# KiCad board middle.kicad_pcb
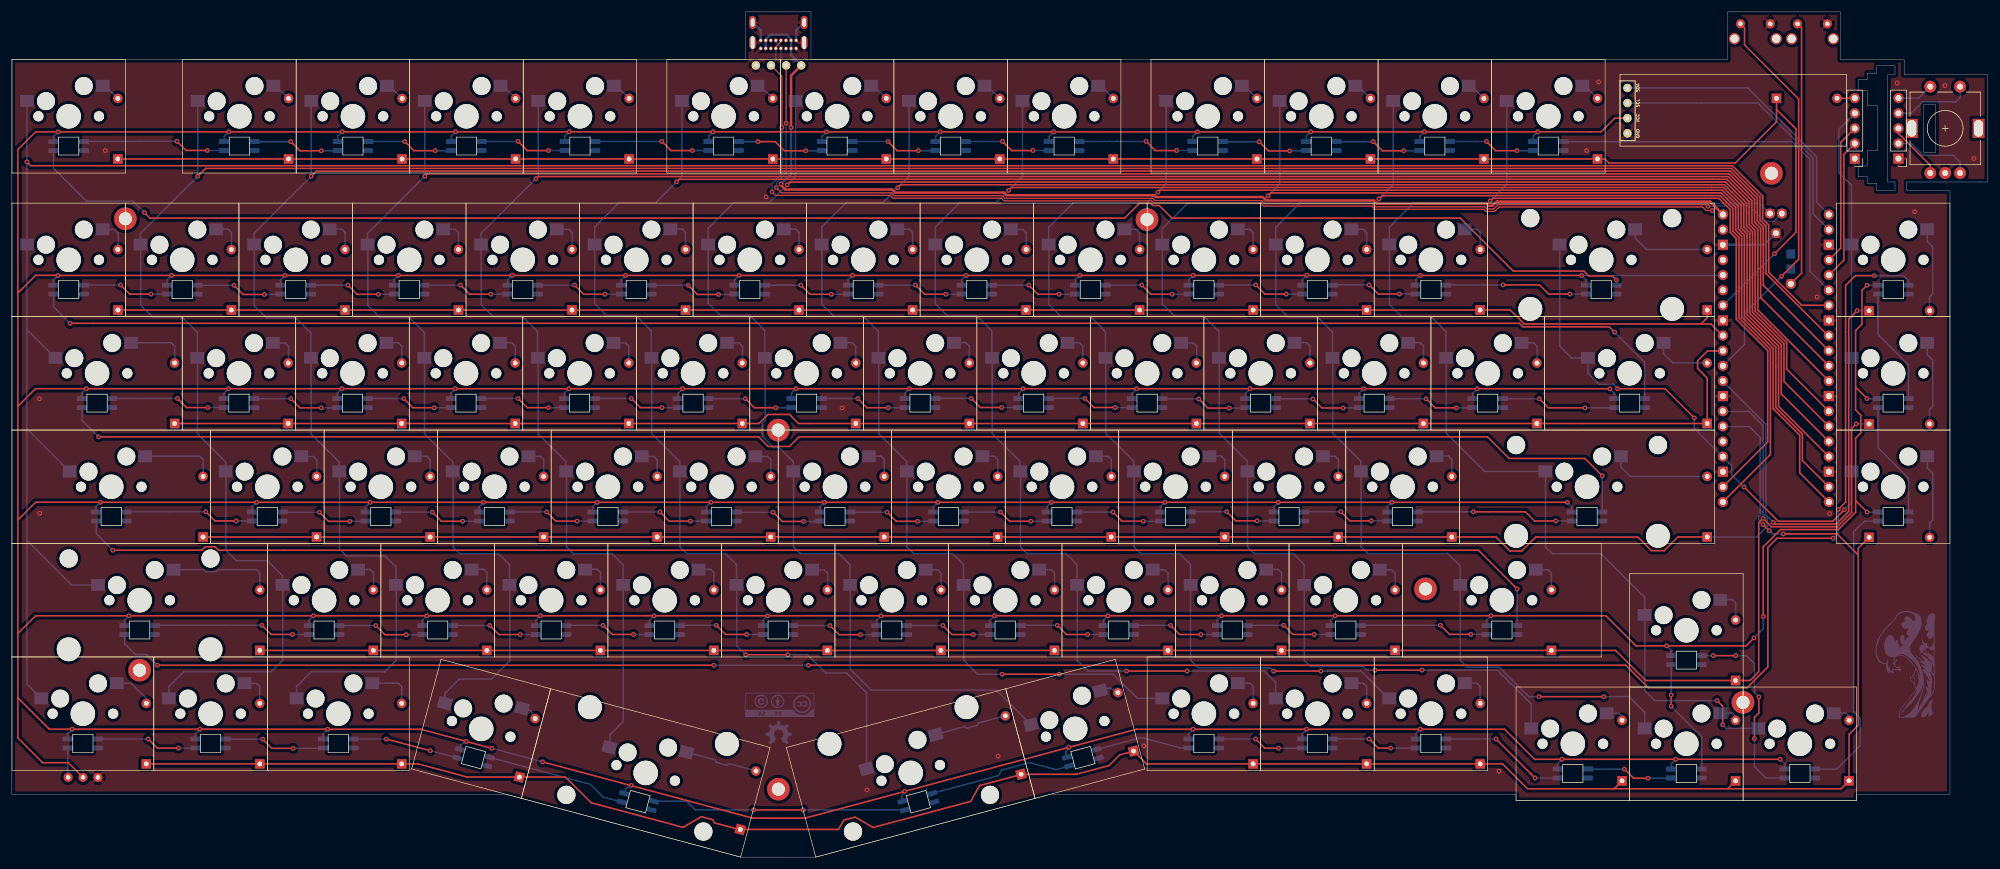
[diagram p0: board, top side]
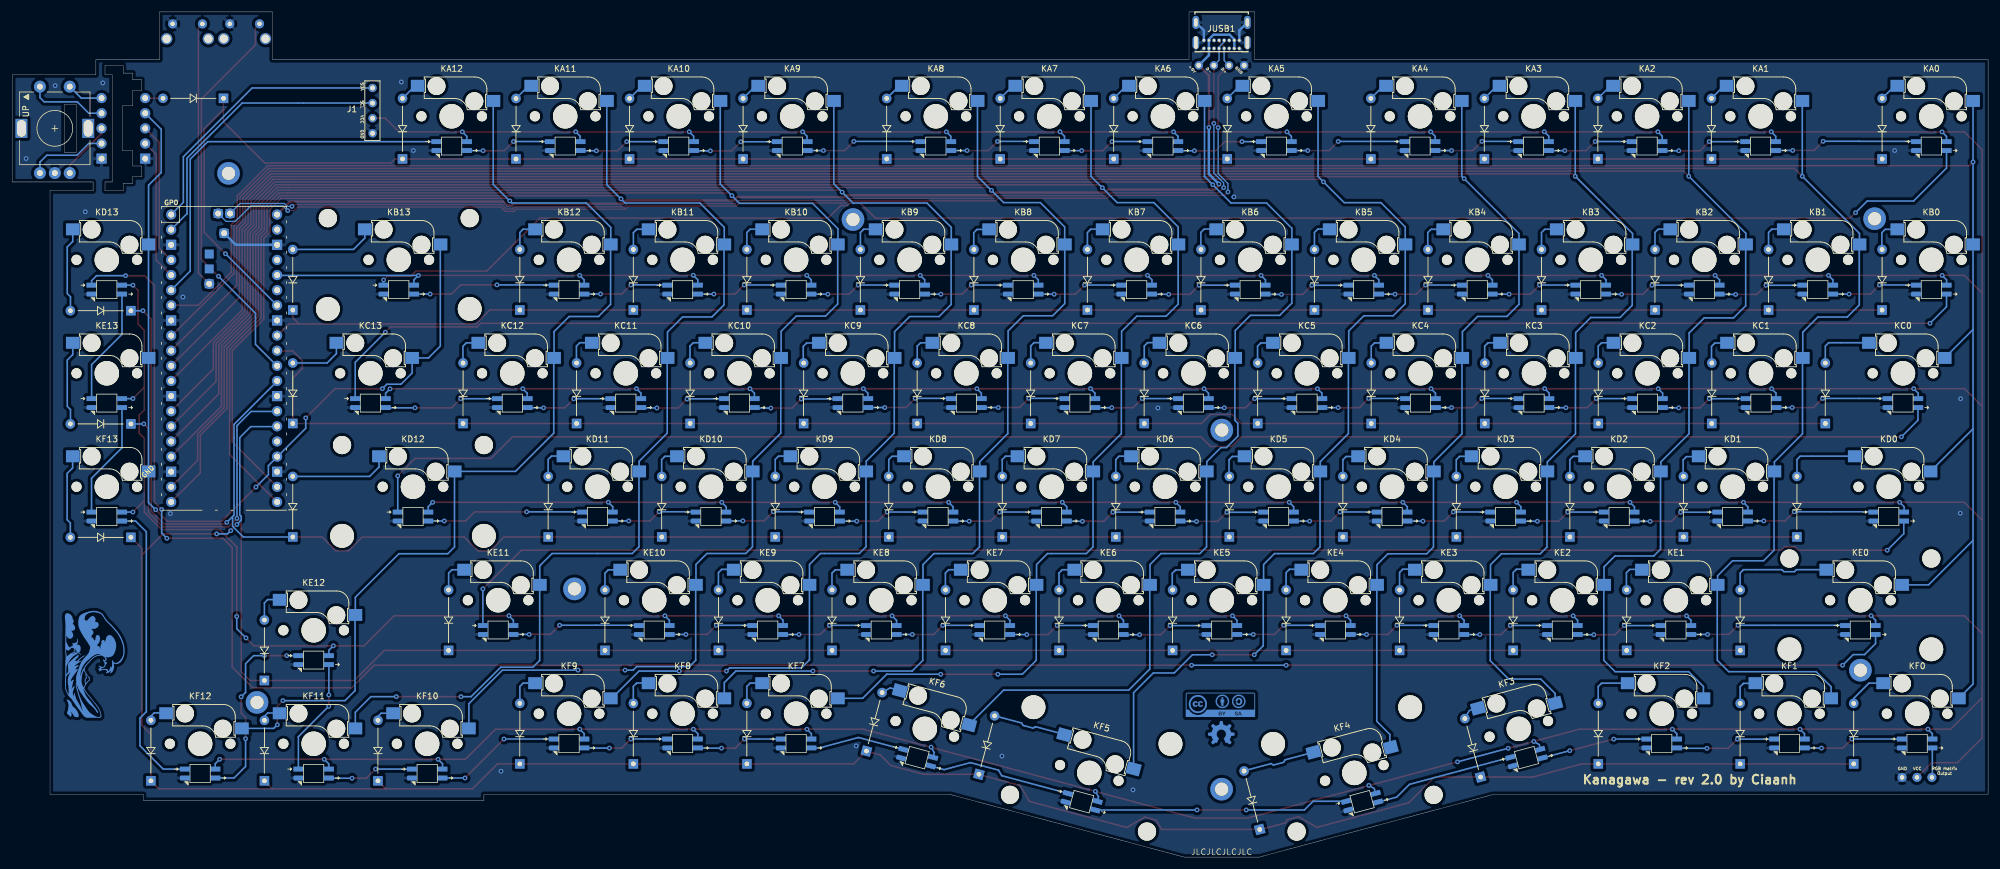
[diagram p1: board, bottom side, seen from below]

Outline 331.54 x 141.9 mm; copper layers: Top, Bottom. Coordinates in mm from the lower left corner of the outline.
Outline path: 0,133.9 0,10.5 83.1,10.5 122.29,0 134.89,0 174.08,10.5 252.41,10.5 252.41,9.5 309.56,9.5 309.56,10.5 325.23,10.5 325.23,111.87 318,111.87 318,113.35 330.23,113.35 331.54,113.35 331.54,131.35 330.23,131.35 317.53,131.35 317.53,133.9 306.83,133.9 306.83,141.9 287.9,141.9 287.9,133.9 134.09,133.9 134.09,141.9 123.09,141.9 123.09,133.9 0,133.9 ; 309.85,130.52 309.85,128.72 311.35,128.72 311.35,126.12 313.11,126.12 313.11,118.62 311.35,118.62 311.35,116.03 309.85,116.03 309.85,114.23 311.35,114.23 311.35,113.12 312.95,113.12 312.95,111.87 316,111.87 316,113.35 314.78,113.35 314.78,131.35 316,131.35 316,132.87 312.95,132.87 312.95,131.62 311.35,131.62 311.35,130.52 309.85,130.52 ; 320.84,126.35 320.84,118.35 322.84,118.35 322.84,126.35 320.84,126.35
Stack: Top 0.035mm / dielectric 1.51mm FR4 er 4.5 / Bottom 0.035mm

## Placement (name value [footprint] x y rotation side)
DA0  D  [Diode_THT]  19.04 116.11 90 top
DA1  D  [Diode_THT]  47.69 116.11 90 top
DA2  D  [Diode_THT]  66.74 116.11 90 top
DA3  D  [Diode_THT]  85.79 116.11 90 top
DA4  D  [Diode_THT]  104.84 116.11 90 top
DA5  D  [Diode_THT]  128.94 116.11 90 top
DA6  D  [Diode_THT]  147.99 116.11 90 top
DA7  D  [Diode_THT]  167.04 116.11 90 top
DA8  D  [Diode_THT]  186.09 116.11 90 top
DA9  D  [Diode_THT]  210.19 116.11 90 top
DA10  D  [Diode_THT]  229.24 116.11 90 top
DA11  D  [Diode_THT]  248.29 116.11 90 top
DA12  D  [Diode_THT]  267.34 116.11 90 top
DA13  D  [Diode_THT]  295.01 126.13 0 top
DB0  D  [Diode_THT]  19.05 90.75 90 top
DB1  D  [Diode_THT]  38.1 90.75 90 top
DB2  D  [Diode_THT]  57.15 90.75 90 top
DB3  D  [Diode_THT]  76.2 90.75 90 top
DB4  D  [Diode_THT]  95.25 90.75 90 top
DB5  D  [Diode_THT]  114.3 90.75 90 top
DB6  D  [Diode_THT]  133.35 90.75 90 top
DB7  D  [Diode_THT]  152.4 90.75 90 top
DB8  D  [Diode_THT]  171.45 90.75 90 top
DB9  D  [Diode_THT]  190.5 90.75 90 top
DB10  D  [Diode_THT]  209.55 90.75 90 top
DB11  D  [Diode_THT]  228.6 90.75 90 top
DB12  D  [Diode_THT]  247.65 90.75 90 top
DB13  D  [Diode_THT]  285.75 90.75 90 top
DC0  D  [Diode_THT]  28.58 71.7 90 top
DC1  D  [Diode_THT]  47.62 71.7 90 top
DC2  D  [Diode_THT]  66.67 71.7 90 top
DC3  D  [Diode_THT]  85.72 71.7 90 top
DC4  D  [Diode_THT]  104.78 71.7 90 top
DC5  D  [Diode_THT]  123.82 71.7 90 top
DC6  D  [Diode_THT]  142.88 71.7 90 top
DC7  D  [Diode_THT]  161.93 71.7 90 top
DC8  D  [Diode_THT]  180.97 71.7 90 top
DC9  D  [Diode_THT]  200.03 71.7 90 top
DC10  D  [Diode_THT]  219.07 71.7 90 top
DC11  D  [Diode_THT]  238.12 71.7 90 top
DC12  D  [Diode_THT]  257.18 71.7 90 top
DC13  D  [Diode_THT]  285.75 71.7 90 top
DD0  D  [Diode_THT]  33.34 52.65 90 top
DD1  D  [Diode_THT]  52.39 52.65 90 top
DD2  D  [Diode_THT]  71.44 52.65 90 top
DD3  D  [Diode_THT]  90.49 52.65 90 top
DD4  D  [Diode_THT]  109.54 52.65 90 top
DD5  D  [Diode_THT]  128.59 52.65 90 top
DD6  D  [Diode_THT]  147.64 52.65 90 top
DD7  D  [Diode_THT]  166.69 52.65 90 top
DD8  D  [Diode_THT]  185.74 52.65 90 top
DD9  D  [Diode_THT]  204.79 52.65 90 top
DD10  D  [Diode_THT]  223.84 52.65 90 top
DD11  D  [Diode_THT]  242.89 52.65 90 top
DD12  D  [Diode_THT]  285.75 52.65 90 top
DD13  D  [Diode_THT]  310.55 90.47 0 top
DE0  D  [Diode_THT]  42.86 33.6 90 top
DE1  D  [Diode_THT]  61.91 33.6 90 top
DE2  D  [Diode_THT]  80.96 33.6 90 top
DE3  D  [Diode_THT]  100.01 33.6 90 top
DE4  D  [Diode_THT]  119.06 33.6 90 top
DE5  D  [Diode_THT]  138.11 33.6 90 top
DE6  D  [Diode_THT]  157.16 33.6 90 top
DE7  D  [Diode_THT]  176.21 33.6 90 top
DE8  D  [Diode_THT]  195.26 33.6 90 top
DE9  D  [Diode_THT]  214.31 33.6 90 top
DE10  D  [Diode_THT]  233.36 33.6 90 top
DE11  D  [Diode_THT]  259.61 33.6 90 top
DE12  D  [Diode_THT]  290.51 28.55 90 top
DE13  D  [Diode_THT]  310.55 71.46 0 top
DF0  D  [Diode_THT]  23.81 14.55 90 top
DF1  D  [Diode_THT]  42.86 14.55 90 top
DF2  D  [Diode_THT]  66.67 14.55 90 top
DF3  D  [Diode_THT]  86.1 12.05 75 top
DF4  D  [Diode_THT]  123.15 3.25 75 top
DF5  D  [Diode_THT]  170.85 13.16 105 top
DF6  D  [Diode_THT]  189.73 17.07 105 top
DF7  D  [Diode_THT]  209.55 14.55 90 top
DF8  D  [Diode_THT]  228.6 14.55 90 top
DF9  D  [Diode_THT]  247.65 14.55 90 top
DF10  D  [Diode_THT]  271.46 11.7 90 top
DF11  D  [Diode_THT]  290.51 11.7 90 top
DF12  D  [Diode_THT]  309.56 11.7 90 top
DF13  D  [Diode_THT]  310.55 52.42 0 top
G***  oshw_logo  [oshw]  128.67 20.87 180 bottom
G***#2  cc_logo  [cc]  128.82 25.56 180 bottom
J1  Oled128x32  [OLED_128x32_I2C]  269.85 131.37 0 top
J2  Conn_01x05  [PinHeader_1x05_P2.54mm_Vertical]  316.58 117.27 180 top
J3  Conn_01x05  [PinHeader_1x05_P2.54mm_Vertical]  309.26 117.27 180 top
J4  Conn_01x03  [conn_3pins]  11.93 13.38 0 top
JUSB1  USB Port  [GCT_USB4085-GF-A_REVA4]  128.62 139.79 0 bottom
JUSB2  USB Breakout  [conn_4pins]  124.84 132.92 0 top
KA0  KEY_SW  [SW_Cherry_MX_1.00u_SK6812MINI-E_Hotswap]  0 133.9 0 top
KA1  KEY_SW  [SW_Cherry_MX_1.00u_SK6812MINI-E_Hotswap]  28.65 133.9 0 top
KA2  KEY_SW  [SW_Cherry_MX_1.00u_SK6812MINI-E_Hotswap]  47.7 133.9 0 top
KA3  KEY_SW  [SW_Cherry_MX_1.00u_SK6812MINI-E_Hotswap]  66.75 133.9 0 top
KA4  KEY_SW  [SW_Cherry_MX_1.00u_SK6812MINI-E_Hotswap]  85.8 133.9 0 top
KA5  KEY_SW  [SW_Cherry_MX_1.00u_SK6812MINI-E_Hotswap]  109.9 133.9 0 top
KA6  KEY_SW  [SW_Cherry_MX_1.00u_SK6812MINI-E_Hotswap]  128.95 133.9 0 top
KA7  KEY_SW  [SW_Cherry_MX_1.00u_SK6812MINI-E_Hotswap]  148 133.9 0 top
KA8  KEY_SW  [SW_Cherry_MX_1.00u_SK6812MINI-E_Hotswap]  167.05 133.9 0 top
KA9  KEY_SW  [SW_Cherry_MX_1.00u_SK6812MINI-E_Hotswap]  191.15 133.9 0 top
KA10  KEY_SW  [SW_Cherry_MX_1.00u_SK6812MINI-E_Hotswap]  210.2 133.9 0 top
KA11  KEY_SW  [SW_Cherry_MX_1.00u_SK6812MINI-E_Hotswap]  229.25 133.9 0 top
KA12  KEY_SW  [SW_Cherry_MX_1.00u_SK6812MINI-E_Hotswap]  248.3 133.9 0 top
KB0  KEY_SW  [SW_Cherry_MX_1.00u_SK6812MINI-E_Hotswap]  0 109.8 0 top
KB1  KEY_SW  [SW_Cherry_MX_1.00u_SK6812MINI-E_Hotswap]  19.05 109.8 0 top
KB2  KEY_SW  [SW_Cherry_MX_1.00u_SK6812MINI-E_Hotswap]  38.1 109.8 0 top
KB3  KEY_SW  [SW_Cherry_MX_1.00u_SK6812MINI-E_Hotswap]  57.15 109.8 0 top
KB4  KEY_SW  [SW_Cherry_MX_1.00u_SK6812MINI-E_Hotswap]  76.2 109.8 0 top
KB5  KEY_SW  [SW_Cherry_MX_1.00u_SK6812MINI-E_Hotswap]  95.25 109.8 0 top
KB6  KEY_SW  [SW_Cherry_MX_1.00u_SK6812MINI-E_Hotswap]  114.3 109.8 0 top
KB7  KEY_SW  [SW_Cherry_MX_1.00u_SK6812MINI-E_Hotswap]  133.35 109.8 0 top
KB8  KEY_SW  [SW_Cherry_MX_1.00u_SK6812MINI-E_Hotswap]  152.4 109.8 0 top
KB9  KEY_SW  [SW_Cherry_MX_1.00u_SK6812MINI-E_Hotswap]  171.45 109.8 0 top
KB10  KEY_SW  [SW_Cherry_MX_1.00u_SK6812MINI-E_Hotswap]  190.5 109.8 0 top
KB11  KEY_SW  [SW_Cherry_MX_1.00u_SK6812MINI-E_Hotswap]  209.55 109.8 0 top
KB12  KEY_SW  [SW_Cherry_MX_1.00u_SK6812MINI-E_Hotswap]  228.6 109.8 0 top
KB13  KEY_SW  [SW_Cherry_MX_2.00u_SK6812MINI-E_Hotswap]  247.65 109.8 0 top
KC0  KEY_SW  [SW_Cherry_MX_1.50u_SK6812MINI-E_Hotswap]  0 90.75 0 top
KC1  KEY_SW  [SW_Cherry_MX_1.00u_SK6812MINI-E_Hotswap]  28.58 90.75 0 top
KC2  KEY_SW  [SW_Cherry_MX_1.00u_SK6812MINI-E_Hotswap]  47.62 90.75 0 top
KC3  KEY_SW  [SW_Cherry_MX_1.00u_SK6812MINI-E_Hotswap]  66.67 90.75 0 top
KC4  KEY_SW  [SW_Cherry_MX_1.00u_SK6812MINI-E_Hotswap]  85.72 90.75 0 top
KC5  KEY_SW  [SW_Cherry_MX_1.00u_SK6812MINI-E_Hotswap]  104.78 90.75 0 top
KC6  KEY_SW  [SW_Cherry_MX_1.00u_SK6812MINI-E_Hotswap]  123.82 90.75 0 top
KC7  KEY_SW  [SW_Cherry_MX_1.00u_SK6812MINI-E_Hotswap]  142.88 90.75 0 top
KC8  KEY_SW  [SW_Cherry_MX_1.00u_SK6812MINI-E_Hotswap]  161.93 90.75 0 top
KC9  KEY_SW  [SW_Cherry_MX_1.00u_SK6812MINI-E_Hotswap]  180.97 90.75 0 top
KC10  KEY_SW  [SW_Cherry_MX_1.00u_SK6812MINI-E_Hotswap]  200.03 90.75 0 top
KC11  KEY_SW  [SW_Cherry_MX_1.00u_SK6812MINI-E_Hotswap]  219.07 90.75 0 top
KC12  KEY_SW  [SW_Cherry_MX_1.00u_SK6812MINI-E_Hotswap]  238.12 90.75 0 top
KC13  KEY_SW  [SW_Cherry_MX_1.50u_SK6812MINI-E_Hotswap]  257.18 90.75 0 top
KD0  KEY_SW  [SW_Cherry_MX_1.75u_SK6812MINI-E_Hotswap]  0 71.7 0 top
KD1  KEY_SW  [SW_Cherry_MX_1.00u_SK6812MINI-E_Hotswap]  33.34 71.7 0 top
KD2  KEY_SW  [SW_Cherry_MX_1.00u_SK6812MINI-E_Hotswap]  52.39 71.7 0 top
KD3  KEY_SW  [SW_Cherry_MX_1.00u_SK6812MINI-E_Hotswap]  71.44 71.7 0 top
KD4  KEY_SW  [SW_Cherry_MX_1.00u_SK6812MINI-E_Hotswap]  90.49 71.7 0 top
KD5  KEY_SW  [SW_Cherry_MX_1.00u_SK6812MINI-E_Hotswap]  109.54 71.7 0 top
KD6  KEY_SW  [SW_Cherry_MX_1.00u_SK6812MINI-E_Hotswap]  128.59 71.7 0 top
KD7  KEY_SW  [SW_Cherry_MX_1.00u_SK6812MINI-E_Hotswap]  147.64 71.7 0 top
KD8  KEY_SW  [SW_Cherry_MX_1.00u_SK6812MINI-E_Hotswap]  166.69 71.7 0 top
KD9  KEY_SW  [SW_Cherry_MX_1.00u_SK6812MINI-E_Hotswap]  185.74 71.7 0 top
KD10  KEY_SW  [SW_Cherry_MX_1.00u_SK6812MINI-E_Hotswap]  204.79 71.7 0 top
KD11  KEY_SW  [SW_Cherry_MX_1.00u_SK6812MINI-E_Hotswap]  223.84 71.7 0 top
KD12  KEY_SW  [SW_Cherry_MX_2.25u_SK6812MINI-E_Hotswap]  242.89 71.7 0 top
KD13  KEY_SW  [SW_Cherry_MX_1.00u_SK6812MINI-E_Hotswap]  306.18 109.8 0 top
KE0  KEY_SW  [SW_Cherry_MX_2.25u_SK6812MINI-E_Hotswap]  0 52.65 0 top
KE1  KEY_SW  [SW_Cherry_MX_1.00u_SK6812MINI-E_Hotswap]  42.86 52.65 0 top
KE2  KEY_SW  [SW_Cherry_MX_1.00u_SK6812MINI-E_Hotswap]  61.91 52.65 0 top
KE3  KEY_SW  [SW_Cherry_MX_1.00u_SK6812MINI-E_Hotswap]  80.96 52.65 0 top
KE4  KEY_SW  [SW_Cherry_MX_1.00u_SK6812MINI-E_Hotswap]  100.01 52.65 0 top
KE5  KEY_SW  [SW_Cherry_MX_1.00u_SK6812MINI-E_Hotswap]  119.06 52.65 0 top
KE6  KEY_SW  [SW_Cherry_MX_1.00u_SK6812MINI-E_Hotswap]  138.11 52.65 0 top
KE7  KEY_SW  [SW_Cherry_MX_1.00u_SK6812MINI-E_Hotswap]  157.16 52.65 0 top
KE8  KEY_SW  [SW_Cherry_MX_1.00u_SK6812MINI-E_Hotswap]  176.21 52.65 0 top
KE9  KEY_SW  [SW_Cherry_MX_1.00u_SK6812MINI-E_Hotswap]  195.26 52.65 0 top
KE10  KEY_SW  [SW_Cherry_MX_1.00u_SK6812MINI-E_Hotswap]  214.31 52.65 0 top
KE11  KEY_SW  [SW_Cherry_MX_1.75u_SK6812MINI-E_Hotswap]  233.36 52.65 0 top
KE12  KEY_SW  [SW_Cherry_MX_1.00u_SK6812MINI-E_Hotswap]  271.46 47.6 0 top
KE13  KEY_SW  [SW_Cherry_MX_1.00u_SK6812MINI-E_Hotswap]  306.18 90.75 0 top
KF0  KEY_SW  [SW_Cherry_MX_1.25u_SK6812MINI-E_Hotswap]  0 33.6 0 top
KF1  KEY_SW  [SW_Cherry_MX_1.00u_SK6812MINI-E_Hotswap]  23.81 33.6 0 top
KF2  KEY_SW  [SW_Cherry_MX_1.25u_SK6812MINI-E_Hotswap]  42.86 33.6 0 top
KF3  KEY_SW  [SW_Cherry_MX_1.00u_SK6812MINI-E_Hotswap]  72.01 33.19 345 top
KF4  KEY_SW  [SW_Cherry_MX_2.00u_SK6812MINI-E_Hotswap_Reversed]  90.41 28.26 345 top
KF5  KEY_SW  [SW_Cherry_MX_2.00u_SK6812MINI-E_Hotswap_Reversed]  129.96 18.4 15 top
KF6  KEY_SW  [SW_Cherry_MX_1.00u_SK6812MINI-E_Hotswap]  166.76 28.26 15 top
KF7  KEY_SW  [SW_Cherry_MX_1.00u_SK6812MINI-E_Hotswap]  190.5 33.6 0 top
KF8  KEY_SW  [SW_Cherry_MX_1.00u_SK6812MINI-E_Hotswap]  209.55 33.6 0 top
KF9  KEY_SW  [SW_Cherry_MX_1.00u_SK6812MINI-E_Hotswap]  228.6 33.6 0 top
KF10  KEY_SW  [SW_Cherry_MX_1.00u_SK6812MINI-E_Hotswap]  252.41 28.55 0 top
KF11  KEY_SW  [SW_Cherry_MX_1.00u_SK6812MINI-E_Hotswap]  271.46 28.55 0 top
KF12  KEY_SW  [SW_Cherry_MX_1.00u_SK6812MINI-E_Hotswap]  290.51 28.55 0 top
KF13  KEY_SW  [SW_Cherry_MX_1.00u_SK6812MINI-E_Hotswap]  306.18 71.7 0 top
LogoMiddleBack  LOGO  [Wave_mask]  318.48 32.43 270 bottom
MountTopMiddle1  MountTopMiddle  [MountingHole_2.2mm_M2_Pad]  21.42 31.38 0 top
MountTopMiddle2  MountTopMiddle  [MountingHole_2.2mm_M2_Pad]  19.04 107.18 0 top
MountTopMiddle3  MountTopMiddle  [MountingHole_2.2mm_M2_Pad]  128.62 11.4 0 top
MountTopMiddle4  MountTopMiddle  [MountingHole_2.2mm_M2_Pad]  128.59 71.69 0 top
MountTopMiddle5  MountTopMiddle  [MountingHole_2.2mm_M2_Pad]  237.22 45.03 0 top
MountTopMiddle6  MountTopMiddle  [MountingHole_2.2mm_M2_Pad]  190.48 107.04 0 top
MountTopMiddle7  MountTopMiddle  [MountingHole_2.2mm_M2_Pad]  290.49 25.97 0 top
MountTopMiddle8  MountTopMiddle  [MountingHole_2.2mm_M2_Pad]  295.27 114.8 0 top
RSW0  -  [SW_RST]  292.57 139.9 0 top
RSW1  -  [SW_RST]  302.15 139.89 0 top
SWA13  Rotary_Encoder_Switch  [RotaryEncoder_Alps_EC11E-Switch_Vertical_H20mm]  324.42 122.35 90 top
U0  Pico  [RPi_Pico_TH]  306.51 109.25 180 bottom

## Library data of the parts
JUSB1 = -: MANUFACTURER: Global Connector Technology; MAXIMUM_PACKAGE_HEIGHT: 3.46mm; PARTREV: A4; STANDARD: Manufacturer Recommendations
KA0-KA12 KB0-KB12 KC1-KC12 KD1-KD11 KD13 KE1-KE10 KE12 KE13 KF1 KF3 KF6-KF13 = -: Field4: D?; Field5: SW_PUSH
KB13 KF4 KF5 = -: Field4: D?; Field5: D?
KC0 KC13 KD0 KD12 KE0 KE11 KF0 KF2 = -: Field4: D?
U0 = -: Description: RP2040 microcontroller chip designed by Raspberry Pi in the United Kingdom 2  SPI, 2  I2C, 2  UART, 3  12-bit ADC, 16  controllable PWM channels; Height: 1; Manufacturer_Name: RASPBERRY-PI; Manufacturer_Part_Number: PICO

## Footprints (pads in the part's own frame, mm; a bottom-side part is the same pattern mirrored in y, then rotated)
conn_3pins
  round 1.524 hole 0.762: 1(-2.5,0) 2(0,0) 3(2.5,0)
conn_4pins
  round 1.397 hole 0.813: 1(0,0) 2(2.54,0) 3(5.08,0) 4(7.62,0)
Diode_THT
  rect 1.6x1.6 hole 0.8: 1(1.1,1.263)
  oval 1.6x1.6 hole 0.8: 2(11.26,1.263)
GCT_USB4085-GF-A_REVA4
  round 0.65 hole 0.4: A1(-2.975,4.025) A4(-2.125,4.025) A5(-1.275,4.025) A6(-0.425,4.025) A7(0.425,4.025) A8(1.275,4.025) A9(2.125,4.025) A12(2.975,4.025) B1(2.975,2.675) B4(2.125,2.675) B5(1.275,2.675) B6(0.425,2.675) B7(-0.425,2.675) B8(-1.275,2.675) B9(-2.125,2.675) B12(-2.975,2.675)
  oval 1.108x2.216 hole 0.6x2.1: P1(-4.325,3.045) P2(4.325,3.045)
  oval 1.108x2.216 hole 0.6x1.4: P3(4.325,-0.335) P4(-4.325,-0.335)
MountingHole_2.2mm_M2_Pad
  round 3.8 hole 2.2: 1(0,0)
OLED_128x32_I2C
  round 1.397 hole 0.813: 1(1.25,-9.86) 2(1.25,-7.32) 3(1.25,-4.78) 4(1.25,-2.24)
PinHeader_1x05_P2.54mm_Vertical
  rect 1.7x1.7 hole 1: 1(0,0)
  oval 1.7x1.7 hole 1: 2(0,-2.54) 3(0,-5.08) 4(0,-7.62) 5(0,-10.16)
RotaryEncoder_Alps_EC11E-Switch_Vertical_H20mm
  round 2 hole 1: A(-7.5,2.5) B(-7.5,-2.5) C(-7.5,0) S1(7,-2.5) S2(7,2.5)
  rect 3.2x2 hole 2.8x1.5: MP(0,5.6) MP(0,-5.6)
RPi_Pico_TH
  oval 1.7x1.7 hole 1.02: 1(1.61,-1.37) 2(1.61,-3.91) 4(1.61,-8.99) 5(1.61,-11.53) 6(1.61,-14.07) 7(1.61,-16.61) 9(1.61,-21.69) 10(1.61,-24.23) 11(1.61,-26.77) 12(1.61,-29.31) 14(1.61,-34.39) 15(1.61,-36.93) 16(1.61,-39.47) 17(1.61,-42.01) 19(1.61,-47.09) 20(1.61,-49.63) 21(19.39,-49.63) 22(19.39,-47.09) 24(19.39,-42.01) 25(19.39,-39.47) 26(19.39,-36.93) 27(19.39,-34.39) 29(19.39,-29.31) 30(19.39,-26.77) 31(19.39,-24.23) 32(19.39,-21.69) 34(19.39,-16.61) 35(19.39,-14.07) 36(19.39,-11.53) 37(19.39,-8.99) 39(19.39,-3.91) 40(19.39,-1.37)
  rect 1.7x1.7 hole 1.02: 3(1.61,-6.45) 8(1.61,-19.15) 13(1.61,-31.85) 18(1.61,-44.55) 23(19.39,-44.55) 28(19.39,-31.85) 33(19.39,-19.15) 38(19.39,-6.45)
  rect 1.5x1.5 smd: TP1(10.5,-4.5) TP2(11.5,-1.2) TP3(9.5,-1.2) TP4(8,-8) TP5(8,-10.5) TP6(8,-13)
  round 1.7 hole 1: TP1(10.5,-4.5) TP2(11.5,-1.2) TP3(9.5,-1.2) TP6(8,-13)
SW_Cherry_MX_1.00u_SK6812MINI-E_Hotswap
  round 1.7 hole 1.7 unplated: (4.445,-9.525) (14.605,-9.525)
  round 3 hole 3 unplated: (5.715,-6.985) (12.065,-4.445)
  round 4.1 hole 4.1 unplated: (9.525,-9.525)
  rect 2.3x2 smd far side: 1(2.525,-6.945) 2(15.225,-4.405)
  rect 1.7x0.82 smd far side: 3(6.975,-13.775) 4(6.975,-15.275) 6(12.075,-13.775)
  rrect 1.7x0.82 smd far side: 5(12.075,-15.275)
SW_Cherry_MX_1.25u_SK6812MINI-E_Hotswap
  round 1.7 hole 1.7 unplated: (6.826,-9.525) (16.986,-9.525)
  round 3 hole 3 unplated: (8.096,-6.985) (14.446,-4.445)
  round 4.1 hole 4.1 unplated: (11.906,-9.525)
  rect 2.3x2 smd far side: 1(4.906,-6.945) 2(17.606,-4.405)
  rect 1.7x0.82 smd far side: 3(9.356,-13.775) 4(9.356,-15.275) 6(14.456,-13.775)
  rrect 1.7x0.82 smd far side: 5(14.456,-15.275)
SW_Cherry_MX_1.50u_SK6812MINI-E_Hotswap
  round 1.7 hole 1.7 unplated: (9.207,-9.525) (19.367,-9.525)
  round 3 hole 3 unplated: (10.477,-6.985) (16.828,-4.445)
  round 4.1 hole 4.1 unplated: (14.287,-9.525)
  rect 2.3x2 smd far side: 1(7.287,-6.945) 2(19.988,-4.405)
  rect 1.7x0.82 smd far side: 3(11.738,-13.775) 4(11.738,-15.275) 6(16.837,-13.775)
  rrect 1.7x0.82 smd far side: 5(16.837,-15.275)
SW_Cherry_MX_1.75u_SK6812MINI-E_Hotswap
  round 1.7 hole 1.7 unplated: (11.589,-9.525) (21.749,-9.525)
  round 3 hole 3 unplated: (12.859,-6.985) (19.209,-4.445)
  round 4.1 hole 4.1 unplated: (16.669,-9.525)
  rect 2.3x2 smd far side: 1(9.669,-6.945) 2(22.369,-4.405)
  rect 1.7x0.82 smd far side: 3(14.119,-13.775) 4(14.119,-15.275) 6(19.219,-13.775)
  rrect 1.7x0.82 smd far side: 5(19.219,-15.275)
SW_Cherry_MX_2.00u_SK6812MINI-E_Hotswap
  round 3.05 hole 3.05 unplated: (7.15,-2.525) (30.95,-2.525)
  round 4 hole 4 unplated: (7.15,-17.765) (30.95,-17.765)
  round 1.7 hole 1.7 unplated: (13.97,-9.525) (24.13,-9.525)
  round 3 hole 3 unplated: (15.24,-6.985) (21.59,-4.445)
  round 4.1 hole 4.1 unplated: (19.05,-9.525)
  rect 2.3x2 smd far side: 1(12.05,-6.945) 2(24.75,-4.405)
  rect 1.7x0.82 smd far side: 3(16.5,-13.775) 4(16.5,-15.275) 6(21.6,-13.775)
  rrect 1.7x0.82 smd far side: 5(21.6,-15.275)
SW_Cherry_MX_2.00u_SK6812MINI-E_Hotswap_Reversed
  round 4 hole 4 unplated: (7.15,-1.29) (30.95,-1.29)
  round 3.05 hole 3.05 unplated: (7.15,-16.529) (30.95,-16.529)
  round 1.7 hole 1.7 unplated: (13.97,-9.525) (24.13,-9.525)
  round 3 hole 3 unplated: (15.24,-6.985) (21.59,-4.445)
  round 4.1 hole 4.1 unplated: (19.05,-9.525)
  rect 2.3x2 smd far side: 1(12.05,-6.945) 2(24.75,-4.405)
  rect 1.7x0.82 smd far side: 3(16.5,-13.775) 4(16.5,-15.275) 6(21.6,-13.775)
  rrect 1.7x0.82 smd far side: 5(21.6,-15.275)
SW_Cherry_MX_2.25u_SK6812MINI-E_Hotswap
  round 3.05 hole 3.05 unplated: (9.531,-2.525) (33.331,-2.525)
  round 4 hole 4 unplated: (9.531,-17.765) (33.331,-17.765)
  round 1.7 hole 1.7 unplated: (16.351,-9.525) (26.511,-9.525)
  round 3 hole 3 unplated: (17.621,-6.985) (23.971,-4.445)
  round 4.1 hole 4.1 unplated: (21.431,-9.525)
  rect 2.3x2 smd far side: 1(14.431,-6.945) 2(27.131,-4.405)
  rect 1.7x0.82 smd far side: 3(18.881,-13.775) 4(18.881,-15.275) 6(23.981,-13.775)
  rrect 1.7x0.82 smd far side: 5(23.981,-15.275)
SW_RST
  round 1.524 hole 0.762: 1(-2.5,0) 2(2.5,0)
  round 1.9 hole 1.4: 3(-3.5,-2.5) 3(3.5,-2.5)

## Nets
+5V: JUSB1.A4 JUSB1.A9 JUSB1.B4 JUSB1.B9 JUSB2.4 U0.40
GND: J1.1 J2.1 J3.1 J4.3 JUSB1.A1 JUSB1.A12 JUSB1.B1 JUSB1.B12 JUSB1.P1 JUSB1.P2 JUSB1.P3 JUSB1.P4 JUSB2.1 KA0.5 KA1.5 KA2.5 KA3.5 KA4.5 KA5.5 KA6.5 KA7.5 KA8.5 KA9.5 KA10.5 KA11.5 KA12.5 KB0.5 KB1.5 KB2.5 KB3.5 KB4.5 KB5.5 KB6.5 KB7.5 KB8.5 KB9.5 KB10.5 KB11.5 KB12.5 KB13.5 KC0.5 KC1.5 KC2.5 KC3.5 KC4.5 KC5.5 KC6.5 KC7.5 KC8.5 KC9.5 KC10.5 KC11.5 KC12.5 KC13.5 KD0.5 KD1.5 KD2.5 KD3.5 KD4.5 KD5.5 KD6.5 KD7.5 KD8.5 KD9.5 KD10.5 KD11.5 KD12.5 KD13.5 KE0.5 KE1.5 KE2.5 KE3.5 KE4.5 KE5.5 KE6.5 KE7.5 KE8.5 KE9.5 KE10.5 KE11.5 KE12.5 KE13.5 KF0.5 KF1.5 KF2.5 KF3.5 KF4.5 KF5.5 KF6.5 KF7.5 KF8.5 KF9.5 KF10.5 KF11.5 KF12.5 KF13.5 RSW0.2 RSW1.2 SWA13.C U0.3 U0.8 U0.13 U0.18 U0.23 U0.28 U0.33 U0.38 U0.TP1
VCC: J1.2 J4.2 KA0.3 KA1.3 KA2.3 KA3.3 KA4.3 KA5.3 KA6.3 KA7.3 KA8.3 KA9.3 KA10.3 KA11.3 KA12.3 KB0.3 KB1.3 KB2.3 KB3.3 KB4.3 KB5.3 KB6.3 KB7.3 KB8.3 KB9.3 KB10.3 KB11.3 KB12.3 KB13.3 KC0.3 KC1.3 KC2.3 KC3.3 KC4.3 KC5.3 KC6.3 KC7.3 KC8.3 KC9.3 KC10.3 KC11.3 KC12.3 KC13.3 KD0.3 KD1.3 KD2.3 KD3.3 KD4.3 KD5.3 KD6.3 KD7.3 KD8.3 KD9.3 KD10.3 KD11.3 KD12.3 KD13.3 KE0.3 KE1.3 KE2.3 KE3.3 KE4.3 KE5.3 KE6.3 KE7.3 KE8.3 KE9.3 KE10.3 KE11.3 KE12.3 KE13.3 KF0.3 KF1.3 KF2.3 KF3.3 KF4.3 KF5.3 KF6.3 KF7.3 KF8.3 KF9.3 KF10.3 KF11.3 KF12.3 KF13.3 U0.36
/A: J2.3 SWA13.A
/B: J2.2 SWA13.B
/IN_A0: KA0.6 KA1.4
/IN_A1: KA1.6 KA2.4
/IN_A2: KA2.6 KA3.4
/IN_A3: KA3.6 KA4.4
/IN_A4: KA4.6 KA5.4
/IN_A5: KA5.6 KA6.4
/IN_A6: KA6.6 KA7.4
/IN_A7: KA7.6 KA8.4
/IN_A8: KA8.6 KA9.4
/IN_A9: KA9.6 KA10.4
/IN_A10: KA10.6 KA11.4
/IN_A11: KA11.6 KA12.4
/IN_B0: KB0.6 KB1.4
/IN_B1: KB1.6 KB2.4
/IN_B2: KB2.6 KB3.4
/IN_B3: KB3.6 KB4.4
/IN_B4: KB4.6 KB5.4
/IN_B5: KB5.6 KB6.4
/IN_B6: KB6.6 KB7.4
/IN_B7: KB7.6 KB8.4
/IN_B8: KB8.6 KB9.4
/IN_B9: KB9.6 KB10.4
/IN_B10: KB10.6 KB11.4
/IN_B11: KB11.6 KB12.4
/IN_B12: KB12.6 KB13.4
/IN_B13: KA0.4 KB13.6
/IN_C0: KC0.6 KC1.4
/IN_C1: KC1.6 KC2.4
/IN_C2: KC2.6 KC3.4
/IN_C3: KC3.6 KC4.4
/IN_C4: KC4.6 KC5.4
/IN_C5: KC5.6 KC6.4
/IN_C6: KC6.6 KC7.4
/IN_C7: KC7.6 KC8.4
/IN_C8: KC8.6 KC9.4
/IN_C9: KC9.6 KC10.4
/IN_C10: KC10.6 KC11.4
/IN_C11: KC11.6 KC12.4
/IN_C12: KC12.6 KC13.4
/IN_C13: KB0.4 KC13.6
/IN_D0: KD0.6 KD1.4
/IN_D1: KD1.6 KD2.4
/IN_D2: KD2.6 KD3.4
/IN_D3: KD3.6 KD4.4
/IN_D4: KD4.6 KD5.4
/IN_D5: KD5.6 KD6.4
/IN_D6: KD6.6 KD7.4
/IN_D7: KD7.6 KD8.4
/IN_D8: KD8.6 KD9.4
/IN_D9: KD9.6 KD10.4
/IN_D10: KD10.6 KD11.4
/IN_D11: KD11.6 KD12.4
/IN_D12: KC0.4 KD12.6
/IN_D13: KD13.6 KE0.4
/IN_E0: KE0.6 KE1.4
/IN_E1: KE1.6 KE2.4
/IN_E2: KE2.6 KE3.4
/IN_E3: KE3.6 KE4.4
/IN_E4: KE4.6 KE5.4
/IN_E5: KE5.6 KE6.4
/IN_E6: KE6.6 KE7.4
/IN_E7: KE7.6 KE8.4
/IN_E8: KE8.6 KE9.4
/IN_E9: KE9.6 KE10.4
/IN_E10: KE10.6 KE11.4
/IN_E11: KD0.4 KE11.6
/IN_E12: KE12.6 KF12.4
/IN_E13: KD13.4 KE13.6
/IN_F0: KF0.6 KF1.4
/IN_F1: KF1.6 KF2.4
/IN_F2: KF2.6 KF3.4
/IN_F3: KF3.6 KF4.4
/IN_F4: KF4.6 KF5.4
/IN_F5: KF5.6 KF6.4
/IN_F6: KF6.6 KF7.4
/IN_F7: KF7.6 KF8.4
/IN_F8: KF8.6 KF9.4
/IN_F9: KF9.6 KF10.4
/IN_F10: KF10.6 KF11.4
/IN_F11: KE12.4 KF11.6
/IN_F12: KF12.6 KF13.4
/IN_F13: KE13.4 KF13.6
/S1: J2.4 SWA13.S1
/S2: J2.5 SWA13.S2
/SW99B: DA13.2 J3.5
BOOTSEL: RSW1.1 U0.TP6
col00: KA0.1 KB0.1 KC0.1 KD0.1 KE0.1 KF0.1 U0.7
col01: KA1.1 KB1.1 KC1.1 KD1.1 KE1.1 KF1.1 U0.9
col02: KA2.1 KB2.1 KC2.1 KD2.1 KE2.1 KF2.1 U0.10
col03: KA3.1 KB3.1 KC3.1 KD3.1 KE3.1 KF3.1 U0.11
col04: KA4.1 KB4.1 KC4.1 KD4.1 KE4.1 KF4.1 U0.12
col05: KA5.1 KB5.1 KC5.1 KD5.1 KE5.1 KF5.1 U0.14
col06: KA6.1 KB6.1 KC6.1 KD6.1 KE6.1 KF6.1 U0.15
col07: KA7.1 KB7.1 KC7.1 KD7.1 KE7.1 KF7.1 U0.16
col08: KA8.1 KB8.1 KC8.1 KD8.1 KE8.1 KF8.1 U0.17
col09: KA9.1 KB9.1 KC9.1 KD9.1 KE9.1 KF9.1 U0.19
col10: KA10.1 KB10.1 KC10.1 KD10.1 KE10.1 KF10.1 U0.20
col11: KA11.1 KB11.1 KC11.1 KD11.1 KE11.1 KF11.1 U0.21